# Allegro board 1155001-Timing_board_V3_20241024_1805_pcb.brd (continued)
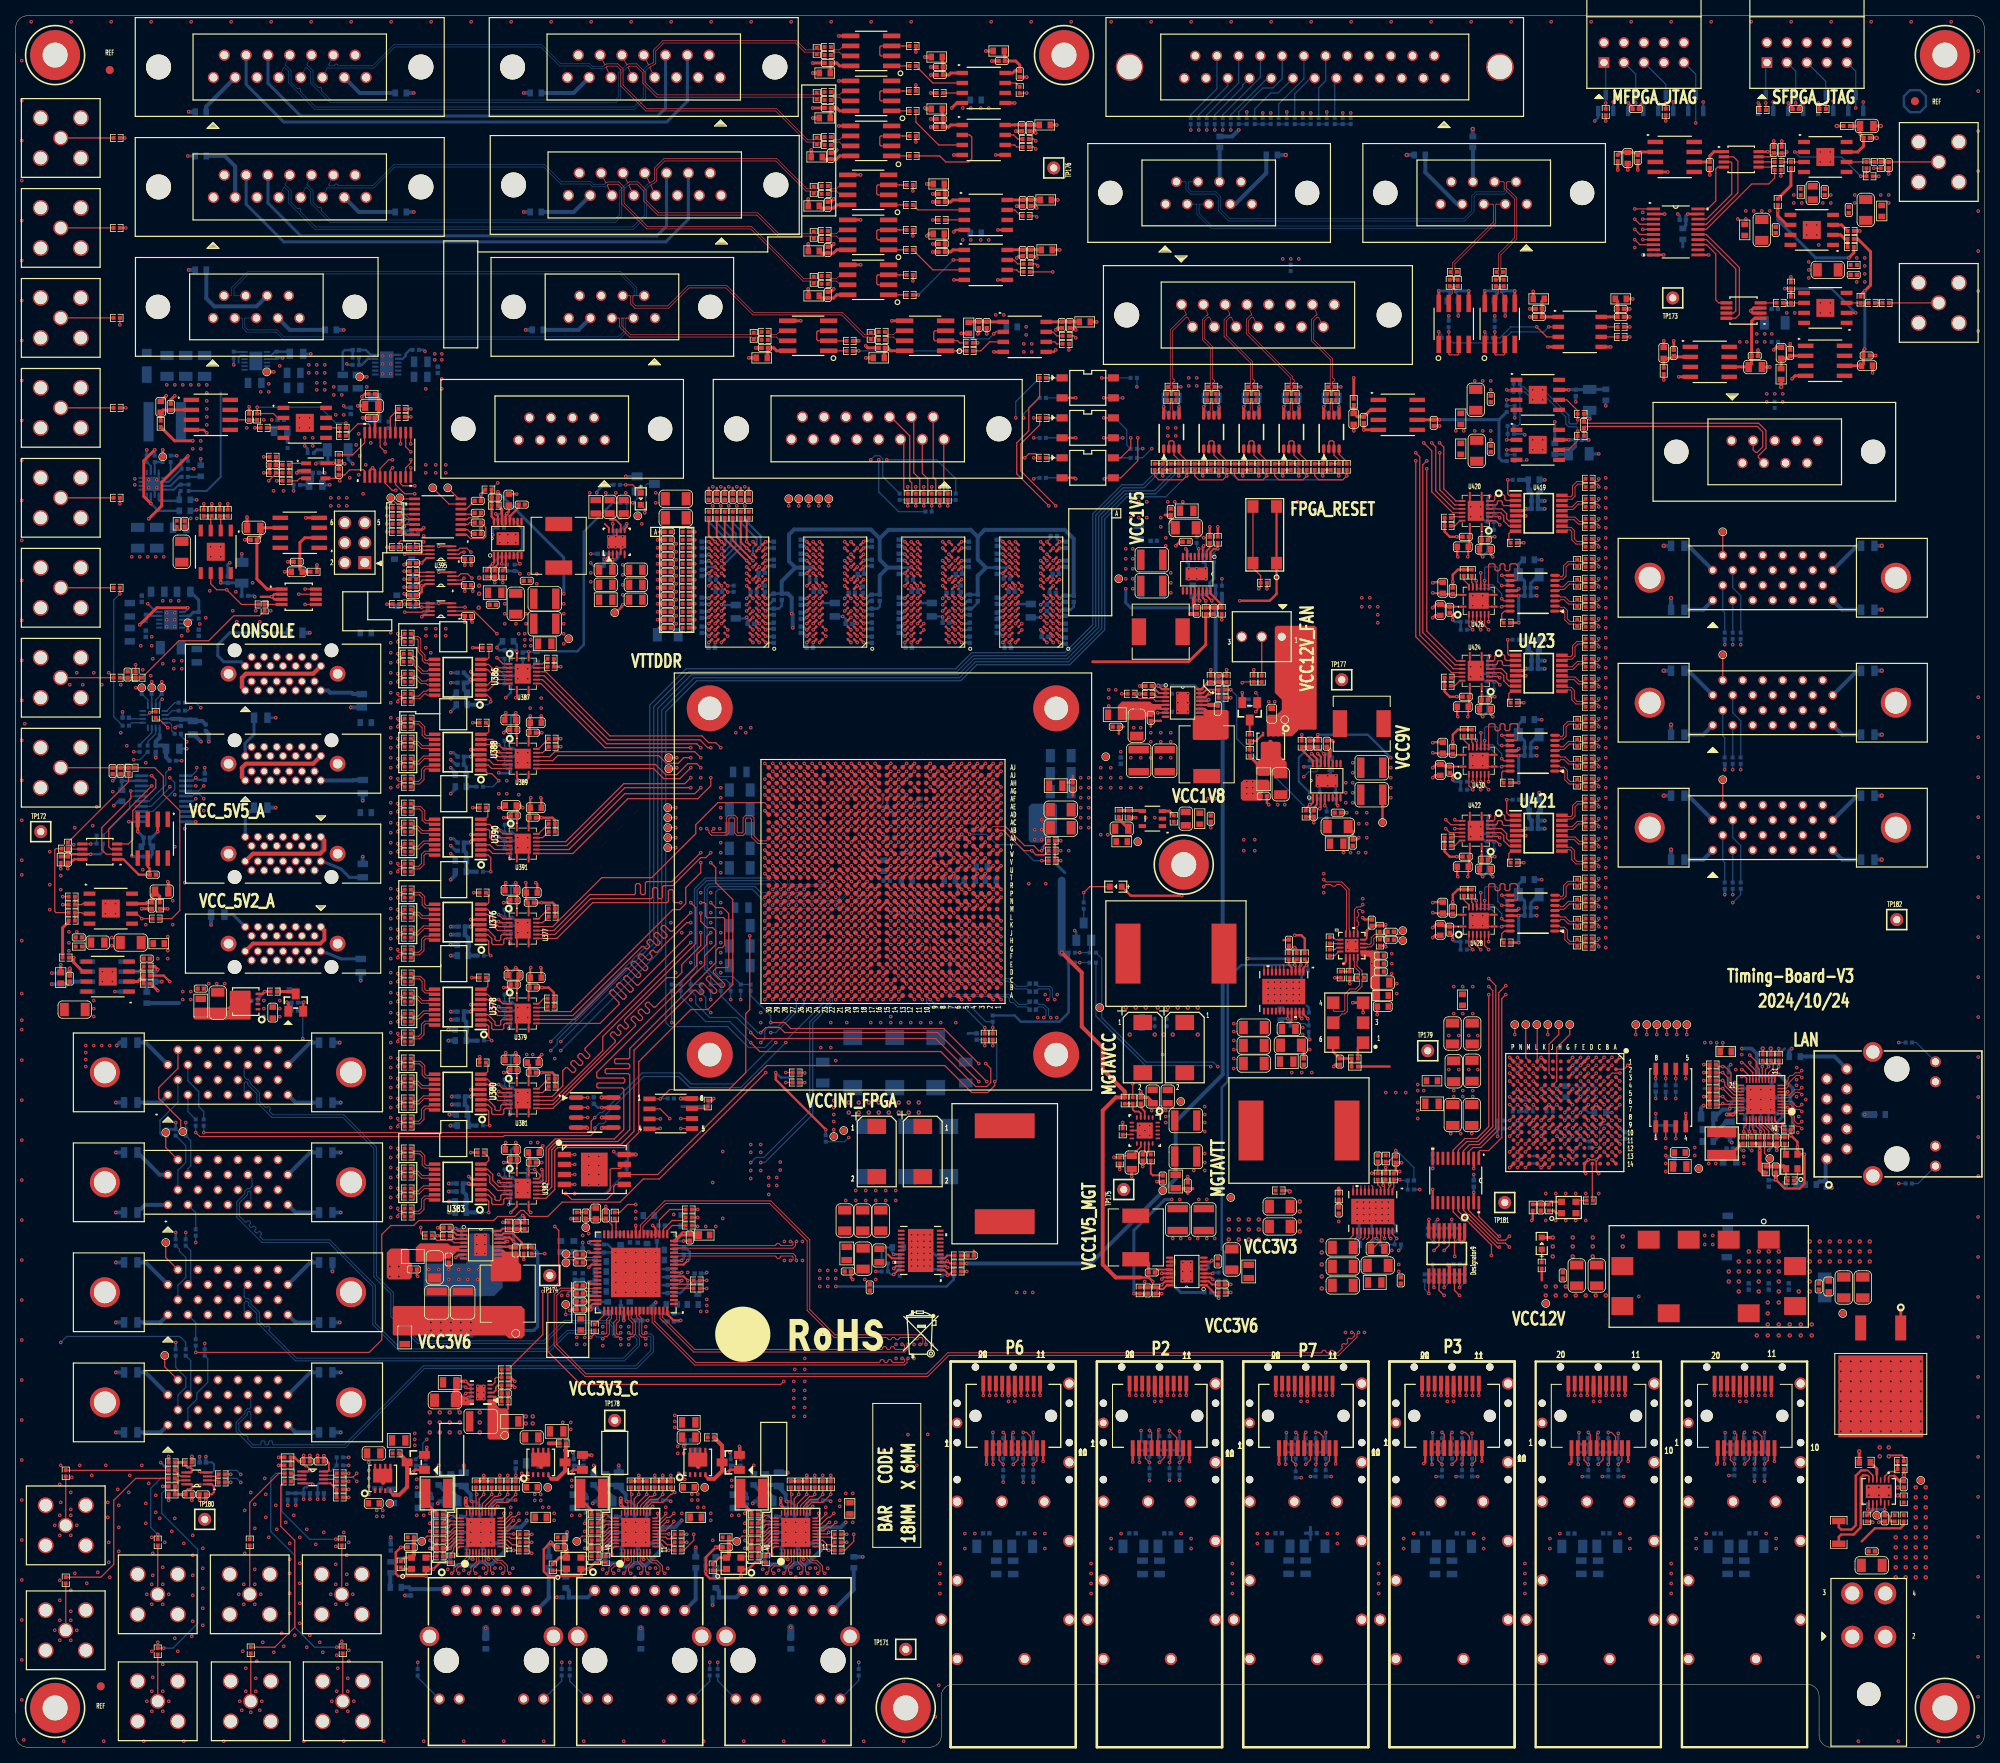
[diagram p0: board, top side]
## Routing (per net, layer and track width the routed paths; a pad name or vN(x,y) marks a point on that pad's centre or on a via; arc(x,y) is an arc through that point) (continued)
  TOP w0.157: U382.6 61.75,70.24 61.59,70.09 61.59,69.63 61.44,69.47 61.02,69.47 60.86,69.63 60.86,69.95 59.97,70.84 U383.3
TIMING_SPI_CSN_2_N_C: length 42.7
  TOP w0.122: v1(48.51,93.22) 48.51,93 48.64,92.88 49.04,92.88 R2896.2
  ART03 w0.099: v1(48.51,93.22) 48.85,92.88 49.16,92.88 49.57,92.48 49.57,91.75 49.13,91.31 45.47,91.31 45.22,91.07 45.22,90.93 45.88,90.27 45.88,89.85 45.4,89.37 44.97,89.37 43.91,90.43 43.77,90.43 43.49,90.15 43.49,90.01 44.55,88.95 44.55,88.52 44.07,88.04 43.65,88.04 42.99,88.7 40.89,88.7 40.26,88.06 40.26,82.73 34.88,77.34 34.16,77.34 33.95,77.13 33.95,76.99 34.49,76.44 34.49,76.3 34.35,76.16 34.21,76.16 33.67,76.71 33.53,76.71 33.39,76.57 33.39,76.43 33.83,75.98 33.83,75.84 33.69,75.7 33.55,75.7 33.11,76.15 32.97,76.15 32.13,75.31 32.13,74.17 31.4,73.44 31.4,72.99 31.65,72.74 J73.24
TIMING_SPI_CSN_2_P: length 50.3
  TOP w0.122: U247.M24 v1(101.14,106)
  TOP w0.157: v1(85.72,104.78) 85.22,104.78 81.46,101.01 81.23,101.01 81.01,101.24 80.76,101.24 80.55,101.02 80.55,100.8 80.79,100.57 80.79,100.35 80.49,100.05 80.27,100.05 79.54,100.78 79.32,100.78 79.07,100.53 79.07,100.31 80.25,99.14 80.25,98.91 80.02,98.69 79.8,98.69 78.63,99.87 78.4,99.87 78.18,99.64 78.18,99.42 79.35,98.25 79.35,98.02 79.13,97.8 78.91,97.8 77.73,98.97 77.51,98.97 71.01,92.47 U379.11
  ART05 w0.102: v1(101.14,106) 100.74,106.4 94.85,106.4 94.76,106.31 94.64,106.31
  ART05 w0.117: v1(85.72,104.78) 86.26,105.31 90.07,105.31 91.07,106.31 94.64,106.31
TIMING_SPI_CSN_2_P_C: length 42.8
  TOP w0.122: v1(48.51,92.2) 48.51,92.42 48.64,92.54 49.04,92.54 R2895.2
  ART03 w0.099: v1(48.51,92.2) 48.85,92.54 49.02,92.54 49.23,92.34 49.23,91.9 48.98,91.66 45.32,91.66 44.88,91.21 44.88,90.79 45.54,90.13 45.54,89.99 45.25,89.71 45.11,89.71 44.05,90.77 43.63,90.77 43.15,90.29 43.15,89.87 44.21,88.81 44.21,88.67 43.93,88.39 43.79,88.39 43.13,89.04 40.75,89.04 39.92,88.2 39.92,82.87 34.73,77.69 34.02,77.69 31.79,75.45 31.79,74.31 31.06,73.58 31.06,72.06 32.03,71.09 J73.11
TIMING_SPI_CSN_2_P_H: length 4.9
  TOP w0.157: U379.6 61.75,92.47 61.59,92.31 61.59,91.85 61.44,91.69 61.02,91.69 60.86,91.85 60.86,92.18 59.97,93.07 U378.3
TIMING_SPI_CSN_3_N_C: length 42
  TOP w0.122: R2880.2 49.04,103.54 48.64,103.54 48.51,103.67 v1(48.51,103.89)
  ART03 w0.099: v1(48.51,103.89) 48.86,103.54 49.61,103.54 49.91,103.24 49.91,102.18 49.61,101.88 47.34,101.88 46.06,100.6 46.06,98.41 41.54,93.89 39.87,93.89 39.77,93.79 39.77,93.3 39.67,93.21 39.48,93.21 39.38,93.3 39.38,93.79 39.28,93.89 39.08,93.89 38.98,93.79 38.98,93.3 38.88,93.21 38.68,93.21 38.58,93.3 38.58,93.79 38.48,93.89 38.29,93.89 38.19,93.79 38.19,93.42 38.09,93.32 37.89,93.32 37.79,93.42 37.79,93.79 37.69,93.89 36.74,93.89 35.53,92.68 35.53,92.54 36.66,91.42 36.66,90.99 36.18,90.51 35.76,90.51 34.63,91.64 34.49,91.64 34.21,91.36 34.21,91.22 35.34,90.09 35.34,89.67 34.85,89.18 34.43,89.18 33.3,90.31 33.16,90.31 32.13,89.28 32.13,88.14 31.37,87.38 31.37,87 31.65,86.71 J74.24
TIMING_SPI_CSN_3_P: length 45.4
  TOP w0.157: v1(88.27,113.67) 87.63,113.03 87,113.03 83.44,109.47 82.3,109.47 82.14,109.32 82.14,107.98 81.98,107.82 81.67,107.82 81.51,107.98 81.51,109.06 81.35,109.22 81.04,109.22 80.88,109.06 80.88,107.98 80.72,107.82 73.03,107.82 68.47,103.26 U377.11 ; U247.W23 v1(102.14,114)
  ART10 w0.102: v1(102.14,114) 101.66,114.48 98.29,114.48 98.17,114.6 95.84,114.6 95.63,114.81
  ART10 w0.117: v1(88.27,113.67) 88.72,113.21 91.87,113.21 93.47,114.81 95.63,114.81
TIMING_SPI_CSN_3_P_C: length 42
  TOP w0.122: R2879.2 49.04,103.21 48.64,103.21 48.51,103.09 v1(48.51,102.87)
  ART03 w0.099: J74.11 32.03,85.06 31.03,86.07 31.03,87.52 31.79,88.28 31.79,89.42 33.02,90.66 33.44,90.66 34.57,89.53 34.71,89.53 34.99,89.81 34.99,89.95 33.87,91.08 33.87,91.5 34.35,91.98 34.77,91.98 35.9,90.85 36.04,90.85 36.32,91.14 36.32,91.27 35.19,92.4 35.19,92.83 36.6,94.23 41.4,94.23 45.72,98.55 45.72,100.74 47.2,102.22 49.47,102.22 49.57,102.32 49.57,103.09 49.47,103.19 48.84,103.19 v1(48.51,102.87)
TIMING_SPI_CSN_3_P_H: length 4.9
  TOP w0.157: U376.3 59.97,103.86 60.86,102.97 60.86,102.65 61.02,102.49 61.44,102.49 61.59,102.65 61.59,103.11 61.75,103.26 U377.6
TIMING_SPI_CSN_4_N_C: length 46.5
  TOP w0.122: v1(48.51,82.42) 48.51,82.2 48.64,82.08 49.04,82.08 R2914.2
  ART03 w0.099: v1(48.51,82.42) 48.85,82.09 50.73,82.09 51.22,81.6 51.22,80.92 50.73,80.43 46.52,80.43 46.25,80.16 46.25,80.02 47,79.27 47,78.84 46.52,78.36 46.1,78.36 45.35,79.11 45.21,79.11 42.06,75.97 40.91,75.97 39.37,74.42 39.37,65.15 37.52,63.3 37.18,63.3 37.08,63.2 37.08,62.96 36.98,62.86 36.78,62.86 36.69,62.96 36.69,63.2 36.59,63.3 36.39,63.3 36.29,63.2 36.29,62.96 36.19,62.86 35.99,62.86 35.89,62.96 35.89,63.2 35.79,63.3 35.6,63.3 35.5,63.2 35.5,62.96 35.4,62.86 35.2,62.86 35.1,62.96 35.1,63.2 35,63.3 34.26,63.3 34.01,63.05 34.01,62.91 34.21,62.71 34.21,62.57 34.07,62.43 33.93,62.43 33.73,62.63 33.59,62.63 33.45,62.49 33.45,62.35 33.64,62.15 33.64,62.01 33.5,61.87 33.36,61.87 33.17,62.07 33.03,62.07 32.13,61.18 32.13,60.2 31.44,59.5 31.44,59.36 J94.24
TIMING_SPI_CSN_4_P: length 53.9
  TOP w0.122: U247.M22 v1(103.14,106)
  TOP w0.157: U381.11 68.21,81.67 76.14,89.6 76.14,89.82 75.53,90.43 75.53,90.65 75.76,90.87 75.98,90.87 76.39,90.46 76.62,90.46 76.84,90.68 76.84,90.9 76.43,91.32 76.43,91.54 76.65,91.76 76.87,91.76 77.35,91.29 77.57,91.29 77.79,91.51 77.79,91.73 77.32,92.21 77.32,92.43 82.68,97.79 83.95,97.79 84.59,98.43 84.59,99.45 87,101.85 v1(87,103.5)
  ART05 w0.102: v1(103.14,106) 102.54,105.4 94.85,105.4 94.74,105.28 94.64,105.28
  ART05 w0.117: 94.64,105.28 91.95,105.28 91.06,104.39 88.97,104.39 88.62,104.04 87.53,104.04 v1(87,103.5)
TIMING_SPI_CSN_4_P_C: length 46.5
  TOP w0.122: R2913.2 49.04,81.75 48.64,81.75 48.51,81.63 v1(48.51,81.41)
  ART03 w0.099: v1(48.51,81.41) 48.85,81.74 50.59,81.74 50.88,81.46 50.88,81.06 50.59,80.77 46.38,80.77 45.91,80.3 45.91,79.88 46.66,79.12 46.66,78.98 46.38,78.7 46.24,78.7 45.49,79.45 45.06,79.45 41.92,76.31 40.77,76.31 39.03,74.56 39.03,65.29 37.38,63.64 34.11,63.64 31.79,61.32 31.79,60.34 31.09,59.65 31.09,58.06 32.03,57.12 J94.11
TIMING_SPI_CSN_4_P_H: length 4.9
  TOP w0.157: U380.3 59.97,82.27 60.86,81.38 60.86,81.06 61.02,80.9 61.44,80.9 61.59,81.06 61.59,81.52 61.75,81.67 U381.6
TIMING_SPI_CSN_5_N_C: length 39.3
  TOP w0.122: R3206.2 200.51,157.95 200.92,157.95 201.04,157.83 v1(201.04,157.61)
  ART08 w0.099: J112.24 228.63,149.14 228.63,147.89 228.53,147.79 228.35,147.79 228.22,147.91 228.22,148.21 227.08,149.35 227.08,149.99 225.81,151.26 225.81,152.71 221.49,157.02 204.53,157.02 204.43,157.12 204.43,157.18 204.33,157.28 204.14,157.28 204.04,157.18 204.04,157.12 203.94,157.02 203.74,157.02 203.64,157.12 203.64,157.18 203.54,157.28 203.34,157.28 203.24,157.18 203.24,157.12 203.15,157.02 202.95,157.02 202.85,157.12 202.85,157.18 202.75,157.28 202.55,157.28 202.45,157.18 202.45,157.12 202.35,157.02 200.56,157.02 200.47,157.12 200.47,157.96 200.56,158.06 200.94,158.06 201.04,157.96 v1(201.04,157.61)
TIMING_SPI_CSN_5_P: length 192.3
  TOP w0.157: U420.11 182.77,157.85 180.85,159.77 v1(180.85,164.47) ; U247.AC21 v1(105.14,118)
  ART05 w0.102: 96.65,117.86 96.9,117.6 104.74,117.6 v1(105.14,118)
  ART05 w0.117: 96.65,117.86 96.52,117.98 94.65,117.98 89.9,122.73 85.01,122.73 74.36,133.39 74.36,157.42 75.69,158.75 75.69,161.29 78.87,164.47 78.87,168.15 80.77,170.05 129.92,170.05 132.84,167.13 167.89,167.13 168.53,166.5 173.49,166.5 173.61,166.61 173.61,167.52 173.72,167.64 173.96,167.64 174.08,167.52 174.08,166.61 174.19,166.5 174.43,166.5 174.54,166.61 174.54,167.52 174.66,167.64 174.89,167.64 175.01,167.52 175.01,166.61 175.13,166.5 176.53,166.5 178.56,164.47 v1(180.85,164.47)
TIMING_SPI_CSN_5_P_C: length 39.2
  TOP w0.122: v1(201.04,158.62) 201.04,158.4 200.92,158.28 200.51,158.28 R3205.2
  ART08 w0.099: J112.11 228.63,146.14 228.63,147.34 228.53,147.44 228.2,147.44 227.88,147.77 227.88,148.07 226.73,149.21 226.73,149.84 225.46,151.11 225.46,152.57 221.35,156.68 200.42,156.68 200.12,156.98 200.12,158.11 200.42,158.41 200.82,158.41 v1(201.04,158.62)
TIMING_SPI_CSN_5_P_H: length 4.1
  TOP w0.157: U419.3 188.96,157.76 188.8,157.92 188.8,158.24 188.67,158.37 188.29,158.37 188.16,158.24 188.16,158 188.01,157.85 U420.6
TIMING_SPI_CSN_6_N_C: length 39.1
  TOP w0.122: v1(201.04,116.97) 201.04,117.19 200.92,117.31 200.51,117.31 R3222.2
  ART08 w0.099: J113.24 228.63,117.39 228.63,116.14 228.53,116.04 228.35,116.04 228.22,116.16 228.22,116.46 227.08,117.6 227.08,118.24 225.81,119.51 225.81,120.52 224.16,122.17 212.85,122.17 210.44,119.76 205.77,119.76 204.91,118.91 200.42,118.91 200.12,118.61 200.12,117.51 200.42,117.21 200.82,117.21 201.04,116.99 v1(201.04,116.97)
TIMING_SPI_CSN_6_P: length 173.9
  TOP w0.122: U247.AD21 v1(105.14,119)
  TOP w0.157: U422.11 182.26,117.21 v1(181.61,117.86)
  ART05 w0.102: 105.74,126.67 105.74,119.96 105.14,119.36 v1(105.14,119)
  ART05 w0.117: v1(181.61,117.86) 178.18,121.28 178.18,131.44 160.15,149.48 155.69,149.48 155.58,149.6 155.58,150.38 155.46,150.5 155.23,150.5 155.11,150.38 155.11,149.6 154.99,149.48 154.76,149.48 154.64,149.6 154.64,150.38 154.53,150.5 154.29,150.5 154.18,150.38 154.18,149.6 154.06,149.48 153.83,149.48 153.71,149.6 153.71,150.38 153.59,150.5 153.36,150.5 153.24,150.38 153.24,149.6 153.12,149.48 152.89,149.48 152.77,149.6 152.77,150.38 152.66,150.5 152.42,150.5 152.31,150.38 152.31,149.6 152.19,149.48 151.96,149.48 151.84,149.6 151.84,150.38 151.72,150.5 144.53,150.5 142.24,152.78 138.43,152.78 135.36,155.85 130.9,155.85 129.81,154.77 87.88,154.77 86.86,153.75 86.86,139.96 87.55,139.27 93.14,139.27 105.74,126.67
TIMING_SPI_CSN_6_P_C: length 39.1
  TOP w0.122: v1(201.04,117.98) 201.04,117.76 200.92,117.64 200.51,117.64 R3221.2
  ART08 w0.099: J113.11 228.63,114.39 228.63,115.59 228.53,115.69 228.2,115.69 227.88,116.02 227.88,116.32 226.73,117.46 226.73,118.09 225.46,119.36 225.46,120.38 224.01,121.83 212.99,121.83 210.58,119.42 205.91,119.42 205.06,118.57 204.51,118.57 204.41,118.47 204.41,118.39 204.32,118.29 204.12,118.29 204.02,118.39 204.02,118.47 203.92,118.57 203.72,118.57 203.62,118.47 203.62,118.39 203.52,118.29 203.32,118.29 203.23,118.39 203.23,118.47 203.13,118.57 202.93,118.57 202.83,118.47 202.83,118.39 202.73,118.29 202.53,118.29 202.43,118.39 202.43,118.47 202.33,118.57 200.56,118.57 200.47,118.47 200.47,117.65 200.56,117.55 200.94,117.55 201.04,117.65 v1(201.04,117.98)
TIMING_SPI_CSN_6_P_H: length 4.1
  TOP w0.157: U422.6 188.01,117.21 188.16,117.36 188.16,117.6 188.29,117.73 188.67,117.73 188.8,117.6 188.8,117.28 188.96,117.12 U421.3
TIMING_SPI_CSN_7_N_C: length 38.3
  TOP w0.122: R3238.2 200.51,137.63 200.92,137.63 201.04,137.51 v1(201.04,137.29)
  ART08 w0.099: J114.24 228.63,133.27 228.63,132.01 228.53,131.91 228.35,131.91 228.22,132.04 228.22,132.33 227.08,133.48 227.08,134.11 225.81,135.38 225.81,136.57 223.15,139.23 200.42,139.23 200.12,138.93 200.12,137.8 200.42,137.5 200.82,137.5 v1(201.04,137.29)
TIMING_SPI_CSN_7_P: length 197.7
  TOP w0.122: U247.AG23 v1(102.14,122)
  TOP w0.157: v1(179.2,163.45) 178.69,162.94 178.69,141.62 182.78,137.53 U424.11
  ART05 w0.102: v1(102.14,122) 101.68,121.54 100.83,121.54 100.71,121.42 100.71,120.9 100.21,120.4 94.61,120.4
  ART05 w0.117: 94.61,120.4 93.85,120.4 89.89,124.36 87.76,124.36 87.17,124.94 85.34,124.94 76.64,133.64 76.64,154.11 76.55,154.21 76.55,157.79 77.94,159.18 77.94,159.81 82.5,164.38 125.86,164.38 126.75,165.27 138.83,165.27 139.97,164.12 173.24,164.12 173.36,164.01 173.36,163.06 173.47,162.94 173.71,162.94 173.82,163.06 173.82,163.97 173.94,164.08 174.17,164.08 174.29,163.97 174.29,163.06 174.41,162.94 174.64,162.94 174.76,163.06 174.76,163.97 174.88,164.08 175.11,164.08 175.23,163.97 175.23,163.06 175.34,162.94 179.08,162.94 179.2,163.06 v1(179.2,163.45)
TIMING_SPI_CSN_7_P_C: length 38.4
  TOP w0.122: R3237.2 200.51,137.96 200.92,137.96 201.04,138.08 v1(201.04,138.3)
  ART08 w0.099: v1(201.04,138.3) 201.04,137.95 200.94,137.85 200.56,137.85 200.47,137.95 200.47,138.79 200.56,138.89 202.35,138.89 202.45,138.79 202.45,138.73 202.55,138.63 202.74,138.63 202.84,138.73 202.84,138.79 202.94,138.89 203.14,138.89 203.24,138.79 203.24,138.71 203.34,138.61 203.54,138.61 203.63,138.71 203.63,138.79 203.73,138.89 203.93,138.89 204.03,138.79 204.03,138.71 204.13,138.61 204.33,138.61 204.43,138.71 204.43,138.79 204.53,138.89 223,138.89 225.46,136.43 225.46,135.24 226.73,133.97 226.73,133.33 227.88,132.19 227.88,131.9 228.2,131.57 228.53,131.57 228.63,131.47 228.63,130.26 J114.11
TIMING_SPI_CSN_7_P_H: length 4.1
  TOP w0.157: U423.3 188.96,137.44 188.8,137.6 188.8,137.92 188.67,138.05 188.29,138.05 188.16,137.92 188.16,137.68 188.01,137.53 U424.6
TIMING_SPI_MISO_1_N_C: length 46.7
  TOP w0.122: v1(48.51,76.07) 48.51,75.85 48.64,75.73 49.04,75.73 R2952.2
  ART03 w0.099: J62.21 27.56,47.33 27.56,47.53 27.66,47.63 27.91,47.63 28.01,47.73 28.01,47.93 27.91,48.03 27.66,48.03 27.56,48.13 27.56,48.27 28.51,49.22 28.65,49.22 28.84,49.03 28.98,49.03 29.12,49.17 29.12,49.31 28.93,49.5 28.93,49.64 29.08,49.78 29.22,49.78 29.4,49.59 29.54,49.59 29.68,49.73 29.68,49.87 29.5,50.06 29.5,50.2 29.64,50.34 29.78,50.34 29.96,50.15 30.1,50.15 30.24,50.29 30.24,50.43 30.06,50.62 30.06,50.76 30.2,50.9 30.34,50.9 30.52,50.71 30.66,50.71 30.8,50.85 30.8,50.99 30.62,51.18 30.62,51.32 31.75,52.45 33.89,52.45 44.16,62.72 44.16,69.43 45.32,70.59 45.32,72.14 47.35,74.17 49.36,74.17 49.66,74.47 49.66,75.44 49.36,75.74 48.85,75.74 v1(48.51,76.07)
TIMING_SPI_MISO_1_P: length 80.2
  TOP w0.122: U247.N21 v1(104.14,107)
  TOP w0.157: v1(87,105.99) 87,104.93 87.79,104.14 88.52,104.14 88.9,103.76 88.9,101.98 87.5,100.58 87.5,99.47 73.79,85.76 73.79,85.19 73.94,85.03 77.19,85.03 77.34,84.87 77.34,84.56 77.19,84.4 73.94,84.4 73.79,84.24 73.79,83.93 73.94,83.77 77.06,83.77 77.22,83.61 77.22,78.49 76.03,77.3 68.51,77.3 67.36,76.14 67.36,71.89 66.71,71.24 U382.13
  ART05 w0.102: v1(104.14,107) 103.74,106.6 94.64,106.6
  ART05 w0.117: 94.64,106.6 90.73,106.6 89.73,105.61 87.38,105.61 v1(87,105.99)
TIMING_SPI_MISO_1_P_C: length 46.7
  TOP w0.122: R2951.2 49.04,75.4 48.64,75.4 48.51,75.28 v1(48.51,75.06)
  ART03 w0.099: J62.8 28.22,45.01 27.22,46.01 27.22,48.41 31.61,52.79 33.74,52.79 43.81,62.87 43.81,69.57 44.98,70.73 44.98,72.28 47.2,74.51 49.22,74.51 49.31,74.61 49.31,75.29 49.22,75.39 48.85,75.39 v1(48.51,75.06)
TIMING_SPI_MISO_1_P_H: length 4.9
  TOP w0.157: U382.4 61.34,71.24 60.58,72.01 60.58,72.77 59.91,73.44 U383.7
TIMING_SPI_MISO_2_N_C: length 41.8
  TOP w0.122: R2910.2 49.04,97.96 48.64,97.96 48.51,98.08 v1(48.51,98.3)
  ART03 w0.099: v1(48.51,98.3) 48.85,97.96 49.36,97.96 49.66,97.66 49.66,96.69 49.36,96.39 46.86,96.39 41.66,91.19 40.69,91.19 36.16,86.65 36.16,82.36 33.21,79.41 31.15,79.41 30.47,78.73 30.47,78.59 30.72,78.35 30.72,78.21 30.58,78.07 30.44,78.07 30.19,78.31 30.05,78.31 29.91,78.17 29.91,78.03 30.16,77.79 30.16,77.65 30.02,77.51 29.88,77.51 29.63,77.75 29.49,77.75 29.35,77.61 29.35,77.47 29.6,77.23 29.6,77.08 29.46,76.94 29.32,76.94 29.07,77.19 28.93,77.19 28.79,77.05 28.79,76.91 29.04,76.66 29.04,76.52 28.9,76.38 28.76,76.38 28.51,76.63 28.37,76.63 27.56,75.82 27.56,75.3 J73.21
TIMING_SPI_MISO_2_P: length 45.6
  TOP w0.157: U247.AC29 v1(97.14,117) ; U379.13 70.48,93.47 83.44,106.43 84.33,106.43 85.09,107.19 85.09,109.22 87,111.12 v1(87,112.39)
  ART10 w0.117: v1(87,112.39) 86.11,113.28 86.11,113.92 86.66,114.48 91.87,114.48 93.85,116.46 96.6,116.46 v1(97.14,117)
TIMING_SPI_MISO_2_P_C: length 41.8
  TOP w0.122: v1(48.51,97.28) 48.51,97.5 48.64,97.62 49.04,97.62 R2909.2
  ART03 w0.099: v1(48.51,97.28) 48.85,97.62 49.22,97.62 49.31,97.52 49.31,96.83 49.22,96.74 46.72,96.74 41.51,91.53 40.55,91.53 35.81,86.79 35.81,82.51 33.06,79.76 31.01,79.76 27.22,75.96 27.22,74.13 28.22,73.13 J73.8
TIMING_SPI_MISO_2_P_H: length 4.9
  TOP w0.157: U379.4 61.34,93.47 60.58,94.23 60.58,95 59.91,95.67 U378.7
TIMING_SPI_MISO_3_N_C: length 41.2
  TOP w0.122: R2892.2 49.04,108.62 48.64,108.62 48.51,108.75 v1(48.51,108.97)
  ART03 w0.099: v1(48.51,108.97) 48.51,108.6 48.61,108.5 49.07,108.5 49.36,108.2 49.36,107.36 49.07,107.06 46.35,107.06 45.59,106.3 45.59,104.78 43.78,102.96 43.78,100.49 40.78,97.5 32.34,97.5 27.56,92.71 27.56,92.39 27.66,92.29 27.92,92.29 28.02,92.19 28.02,91.99 27.92,91.89 27.66,91.89 27.56,91.79 27.56,91.6 27.66,91.5 27.92,91.5 28.02,91.4 28.02,91.2 27.92,91.1 27.66,91.1 27.56,91 27.56,90.8 27.66,90.7 27.92,90.7 28.02,90.61 28.02,90.41 27.92,90.31 27.66,90.31 27.56,90.21 27.56,90.01 27.66,89.91 27.92,89.91 28.02,89.81 28.02,89.61 27.92,89.52 27.66,89.52 27.56,89.42 27.56,88.71 27.66,88.61 J74.21
TIMING_SPI_MISO_3_P: length 36.9
  TOP w0.157: U377.13 68.2,104.26 74.42,110.49 80.77,110.49 86.36,116.08 86.36,117.22 89.15,120.02 95.12,120.02 U247.AE30
TIMING_SPI_MISO_3_P_C: length 41.2
  TOP w0.122: v1(48.51,107.95) 48.51,108.17 48.64,108.29 49.04,108.29 R2890.2
  ART03 w0.099: v1(48.51,107.95) 48.72,108.15 48.92,108.15 49.02,108.05 49.02,107.5 48.92,107.4 46.21,107.4 45.25,106.44 45.25,104.92 43.43,103.1 43.43,100.63 40.64,97.84 32.2,97.84 27.22,92.85 27.22,88.1 28.22,87.1 J74.8
TIMING_SPI_MISO_3_P_H: length 4.9
  TOP w0.157: U377.4 61.34,104.26 60.58,105.03 60.58,105.79 59.91,106.46 U376.7
TIMING_SPI_MISO_4_N_C: length 45.4
  TOP w0.122: R2934.2 49.04,87.16 48.64,87.16 48.51,87.28 v1(48.51,87.5)
  ART03 w0.099: v1(48.51,87.5) 48.85,87.17 49.36,87.17 49.66,86.87 49.66,85.9 49.36,85.6 47.49,85.6 36.83,74.94 36.83,67.31 35.31,65.79 30.99,65.79 30.38,65.17 30.38,65.03 30.62,64.79 30.62,64.65 30.48,64.51 30.34,64.51 30.1,64.75 29.96,64.75 29.82,64.61 29.82,64.47 30.06,64.23 30.06,64.09 29.92,63.95 29.78,63.95 29.54,64.19 29.4,64.19 29.25,64.05 29.25,63.91 29.5,63.67 29.5,63.53 29.36,63.39 29.22,63.39 28.97,63.63 28.83,63.63 28.69,63.49 28.69,63.35 28.93,63.11 28.93,62.97 28.79,62.83 28.65,62.83 28.41,63.07 28.27,63.07 27.49,62.29 27.49,61.4 J94.21
TIMING_SPI_MISO_4_P: length 51
  TOP w0.122: U247.L25 v1(100.14,105)
  TOP w0.157: v1(85.72,102.23) 72.29,88.8 72.29,88.58 72.89,87.97 72.89,87.75 72.67,87.53 72.45,87.53 71.84,88.13 71.62,88.13 71.4,87.91 71.4,87.68 72,87.08 72,86.86 71.78,86.64 71.55,86.64 70.95,87.24 70.73,87.24 70.51,87.02 70.51,86.79 71.11,86.19 71.11,85.97 70.89,85.74 70.66,85.74 70.06,86.35 69.84,86.35 69.47,85.98 69.47,84.02 68.12,82.67 U381.13
  ART05 w0.117: v1(85.72,102.23) 86.49,103 90.5,103 92.02,104.52 99.66,104.52 v1(100.14,105)
TIMING_SPI_MISO_4_P_C: length 45.4
  TOP w0.122: v1(48.51,86.49) 48.51,86.71 48.64,86.83 49.04,86.83 R2933.2
  ART03 w0.099: J94.8 28.22,59.16 27.15,60.23 27.15,62.43 30.85,66.13 35.16,66.13 36.49,67.45 36.49,75.08 47.34,85.94 49.22,85.94 49.31,86.04 49.31,86.72 49.22,86.82 48.85,86.82 v1(48.51,86.49)
TIMING_SPI_MISO_4_P_H: length 4.9
  TOP w0.157: U380.7 59.91,84.87 60.58,84.2 60.58,83.44 61.34,82.67 U381.4
TIMING_SPI_MISO_5_N_C: length 37.6
  TOP w0.122: R3198.2 200.51,152.87 200.92,152.87 201.04,152.75 v1(201.04,152.53)
  ART10 w0.099: 224.41,151.45 224.82,151.04 224.82,149.91 224.67,149.76 224.53,149.76 223.34,150.95 223.34,153.77 222.65,154.47 221.28,154.47 220.98,154.17 220.98,153.4 220.88,153.3 220.48,153.3 220.38,153.4 220.38,154.17 220.08,154.47 207.53,154.47 207.23,154.17 207.23,153.27 207.13,153.17 206.73,153.17 206.63,153.27 206.63,154.17 206.33,154.47 200.59,154.47 200.19,154.07 200.19,153.11 200.49,152.81 200.94,152.81 201.04,152.71 v1(201.04,152.53)
TIMING_SPI_MISO_5_P: length 189.5
  TOP w0.157: v1(178.82,165.74) 179.83,164.72 179.83,159.51 182.5,156.85 U420.13 ; U247.AB23 v1(103.14,117)
  ART05 w0.102: 95.71,116.76 95.87,116.6 102.74,116.6 v1(103.14,117)
  ART05 w0.117: 95.71,116.76 94.45,116.76 90.98,120.23 86.41,120.23 73.77,132.87 73.77,157.85 74.51,158.59 74.51,160.95 78.28,164.71 78.28,168.39 80.53,170.64 130.17,170.64 131.39,169.42 175.13,169.42 v1(178.82,165.74)
TIMING_SPI_MISO_5_P_C: length 37.6
  TOP w0.122: v1(201.04,153.54) 201.04,153.32 200.92,153.2 200.51,153.2 R3197.2
  ART10 w0.099: 224.41,147.63 224.82,148.04 224.82,149.32 224.72,149.42 224.38,149.42 223,150.8 223,153.63 222.5,154.13 221.42,154.13 221.32,154.03 221.32,153.26 221.02,152.96 220.34,152.96 220.04,153.26 220.04,154.03 219.94,154.13 207.67,154.13 207.57,154.03 207.57,153.13 207.27,152.83 206.59,152.83 206.29,153.13 206.29,154.03 206.19,154.13 205.34,154.13 205.24,154.03 205.24,154 205.14,153.9 204.94,153.9 204.84,154 204.84,154.03 204.74,154.13 204.54,154.13 204.44,154.03 204.44,154 204.35,153.9 204.15,153.9 204.05,154 204.05,154.03 203.95,154.13 203.75,154.13 203.65,154.03 203.65,154 203.55,153.9 203.35,153.9 203.26,154 203.26,154.03 203.16,154.13 202.96,154.13 202.86,154.03 202.86,154 202.76,153.9 202.56,153.9 202.46,154 202.46,154.03 202.36,154.13 200.74,154.13 200.53,153.92 200.53,153.25 200.63,153.16 200.94,153.16 201.04,153.25 v1(201.04,153.54)
TIMING_SPI_MISO_5_P_H: length 4.4
  TOP w0.157: U419.7 189.65,155.16 188.98,155.83 188.98,156.46 188.59,156.85 U420.4
TIMING_SPI_MISO_6_N_C: length 37.3
  TOP w0.122: v1(201.04,111.89) 201.04,112.11 200.92,112.23 200.51,112.23 R3214.2
  ART10 w0.099: v1(201.04,111.89) 201.04,112.07 200.94,112.17 200.49,112.17 200.19,112.47 200.19,113.43 200.59,113.83 206.04,113.83 206.34,113.53 206.34,112.58 206.44,112.48 206.83,112.48 206.93,112.58 206.93,113.53 207.23,113.83 207.71,113.83 215,121.12 222.65,121.12 223.34,120.42 223.34,119.2 224.53,118.01 224.67,118.01 224.82,118.16 224.82,119.29 224.41,119.7
TIMING_SPI_MISO_6_P: length 172
  TOP w0.122: U247.AC24 v1(101.14,118)
  TOP w0.157: U422.13 182.12,116.21 v1(181.61,116.71)
  ART05 w0.102: 106.62,125.87 106.74,125.75 106.74,118.8 106.33,118.4 101.54,118.4 v1(101.14,118)
  ART05 w0.117: 106.62,125.87 106.62,126.76 93.45,139.93 87.85,139.93 87.48,140.31 87.48,153.39 88.27,154.18 130.06,154.18 130.94,155.06 135.14,155.06 138.68,151.51 142.11,151.51 145.03,148.59 147.07,148.59 147.83,147.83 151.66,147.83 151.77,147.94 151.77,148.09 151.89,148.21 152.12,148.21 152.24,148.09 152.24,147.94 152.36,147.83 160.78,147.83 177.42,131.19 177.42,120.9 v1(181.61,116.71)
TIMING_SPI_MISO_6_P_C: length 37.2
  TOP w0.122: v1(201.04,112.9) 201.04,112.68 200.92,112.56 200.51,112.56 R3213.2
  ART10 w0.099: 224.41,115.88 224.82,116.29 224.82,117.57 224.72,117.67 224.38,117.67 223,119.05 223,120.28 222.5,120.78 215.14,120.78 207.85,113.49 207.38,113.49 207.28,113.39 207.28,112.44 206.98,112.14 206.3,112.14 206,112.44 206,113.39 205.9,113.49 205.3,113.49 205.2,113.39 205.2,113.36 205.1,113.26 204.91,113.26 204.81,113.36 204.81,113.39 204.71,113.49 204.51,113.49 204.41,113.39 204.41,113.36 204.31,113.26 204.11,113.26 204.01,113.36 204.01,113.39 203.92,113.49 203.72,113.49 203.62,113.39 203.62,113.36 203.52,113.26 203.32,113.26 203.22,113.36 203.22,113.39 203.12,113.49 202.92,113.49 202.83,113.39 202.83,113.36 202.73,113.26 202.53,113.26 202.43,113.36 202.43,113.39 202.33,113.49 200.74,113.49 200.53,113.28 200.53,112.61 200.63,112.52 200.94,112.52 201.04,112.61 v1(201.04,112.9)
TIMING_SPI_MISO_6_P_H: length 4.4
  TOP w0.157: U422.4 188.59,116.21 188.98,115.82 188.98,115.19 189.65,114.52 U421.7
TIMING_SPI_MISO_7_N_C: length 36.4
  TOP w0.122: v1(201.04,132.21) 201.04,132.43 200.92,132.55 200.51,132.55 R3230.2
  ART10 w0.099: v1(201.04,132.21) 201.04,132.42 200.94,132.52 200.52,132.52 200.19,132.84 200.19,133.75 200.59,134.15 202.35,134.15 205.95,137.76 220.1,137.76 220.4,137.46 220.4,136.69 220.5,136.59 220.9,136.59 221,136.69 221,137.46 221.3,137.76 223.04,137.76 223.34,137.46 223.34,135.07 224.53,133.89 224.67,133.89 224.82,134.04 224.82,135.17 224.41,135.58
TIMING_SPI_MISO_7_P: length 197
  TOP w0.122: U247.AF23 v1(102.14,121)
  TOP w0.157: U424.13 182.37,136.53 177.8,141.1 v1(177.8,163.45)
  ART05 w0.117: v1(102.14,121) 101.66,120.52 100.97,120.52 100.58,120.14 100.58,119.63 100.46,119.51 94.23,119.51 89.71,124.03 85.52,124.03 84.25,125.3 83.49,125.3 76.33,132.46 76.33,151.26 75.76,151.83 75.76,154.24 76.24,154.72 76.24,158.28 76.96,159 76.96,160.66 77.22,160.91 77.85,160.91 81.62,164.67 125.74,164.67 126.63,165.56 138.98,165.56 140.13,164.42 175.69,164.42 175.81,164.3 175.81,163.69 175.92,163.58 176.16,163.58 176.28,163.69 176.28,164.3 176.39,164.42 176.83,164.42 v1(177.8,163.45)
TIMING_SPI_MISO_7_P_C: length 36.3
  TOP w0.122: v1(201.04,133.22) 201.04,133 200.92,132.88 200.51,132.88 R3229.2
  ART10 w0.099: v1(201.04,133.22) 201.04,132.96 200.94,132.86 200.66,132.86 200.53,132.99 200.53,133.6 200.74,133.81 202.49,133.81 202.67,133.99 202.81,133.99 202.84,133.96 202.98,133.96 203.12,134.1 203.12,134.25 203.09,134.27 203.09,134.41 203.23,134.55 203.37,134.55 203.4,134.53 203.54,134.53 203.68,134.67 203.68,134.81 203.65,134.83 203.65,134.97 203.79,135.11 203.93,135.11 203.96,135.09 204.1,135.09 204.24,135.23 204.24,135.37 204.21,135.39 204.21,135.53 204.35,135.67 204.49,135.67 204.52,135.65 204.66,135.65 204.8,135.79 204.8,135.93 204.77,135.95 204.77,136.09 206.1,137.41 219.96,137.41 220.06,137.31 220.06,136.55 220.36,136.25 221.04,136.25 221.34,136.55 221.34,137.31 221.44,137.41 222.9,137.41 223,137.31 223,134.93 224.38,133.54 224.72,133.54 224.82,133.45 224.82,132.16 224.41,131.75
